# Altium PCB Weather_Station_ETH_HERMETIC.PcbDoc (part 4 of 5) (continued)
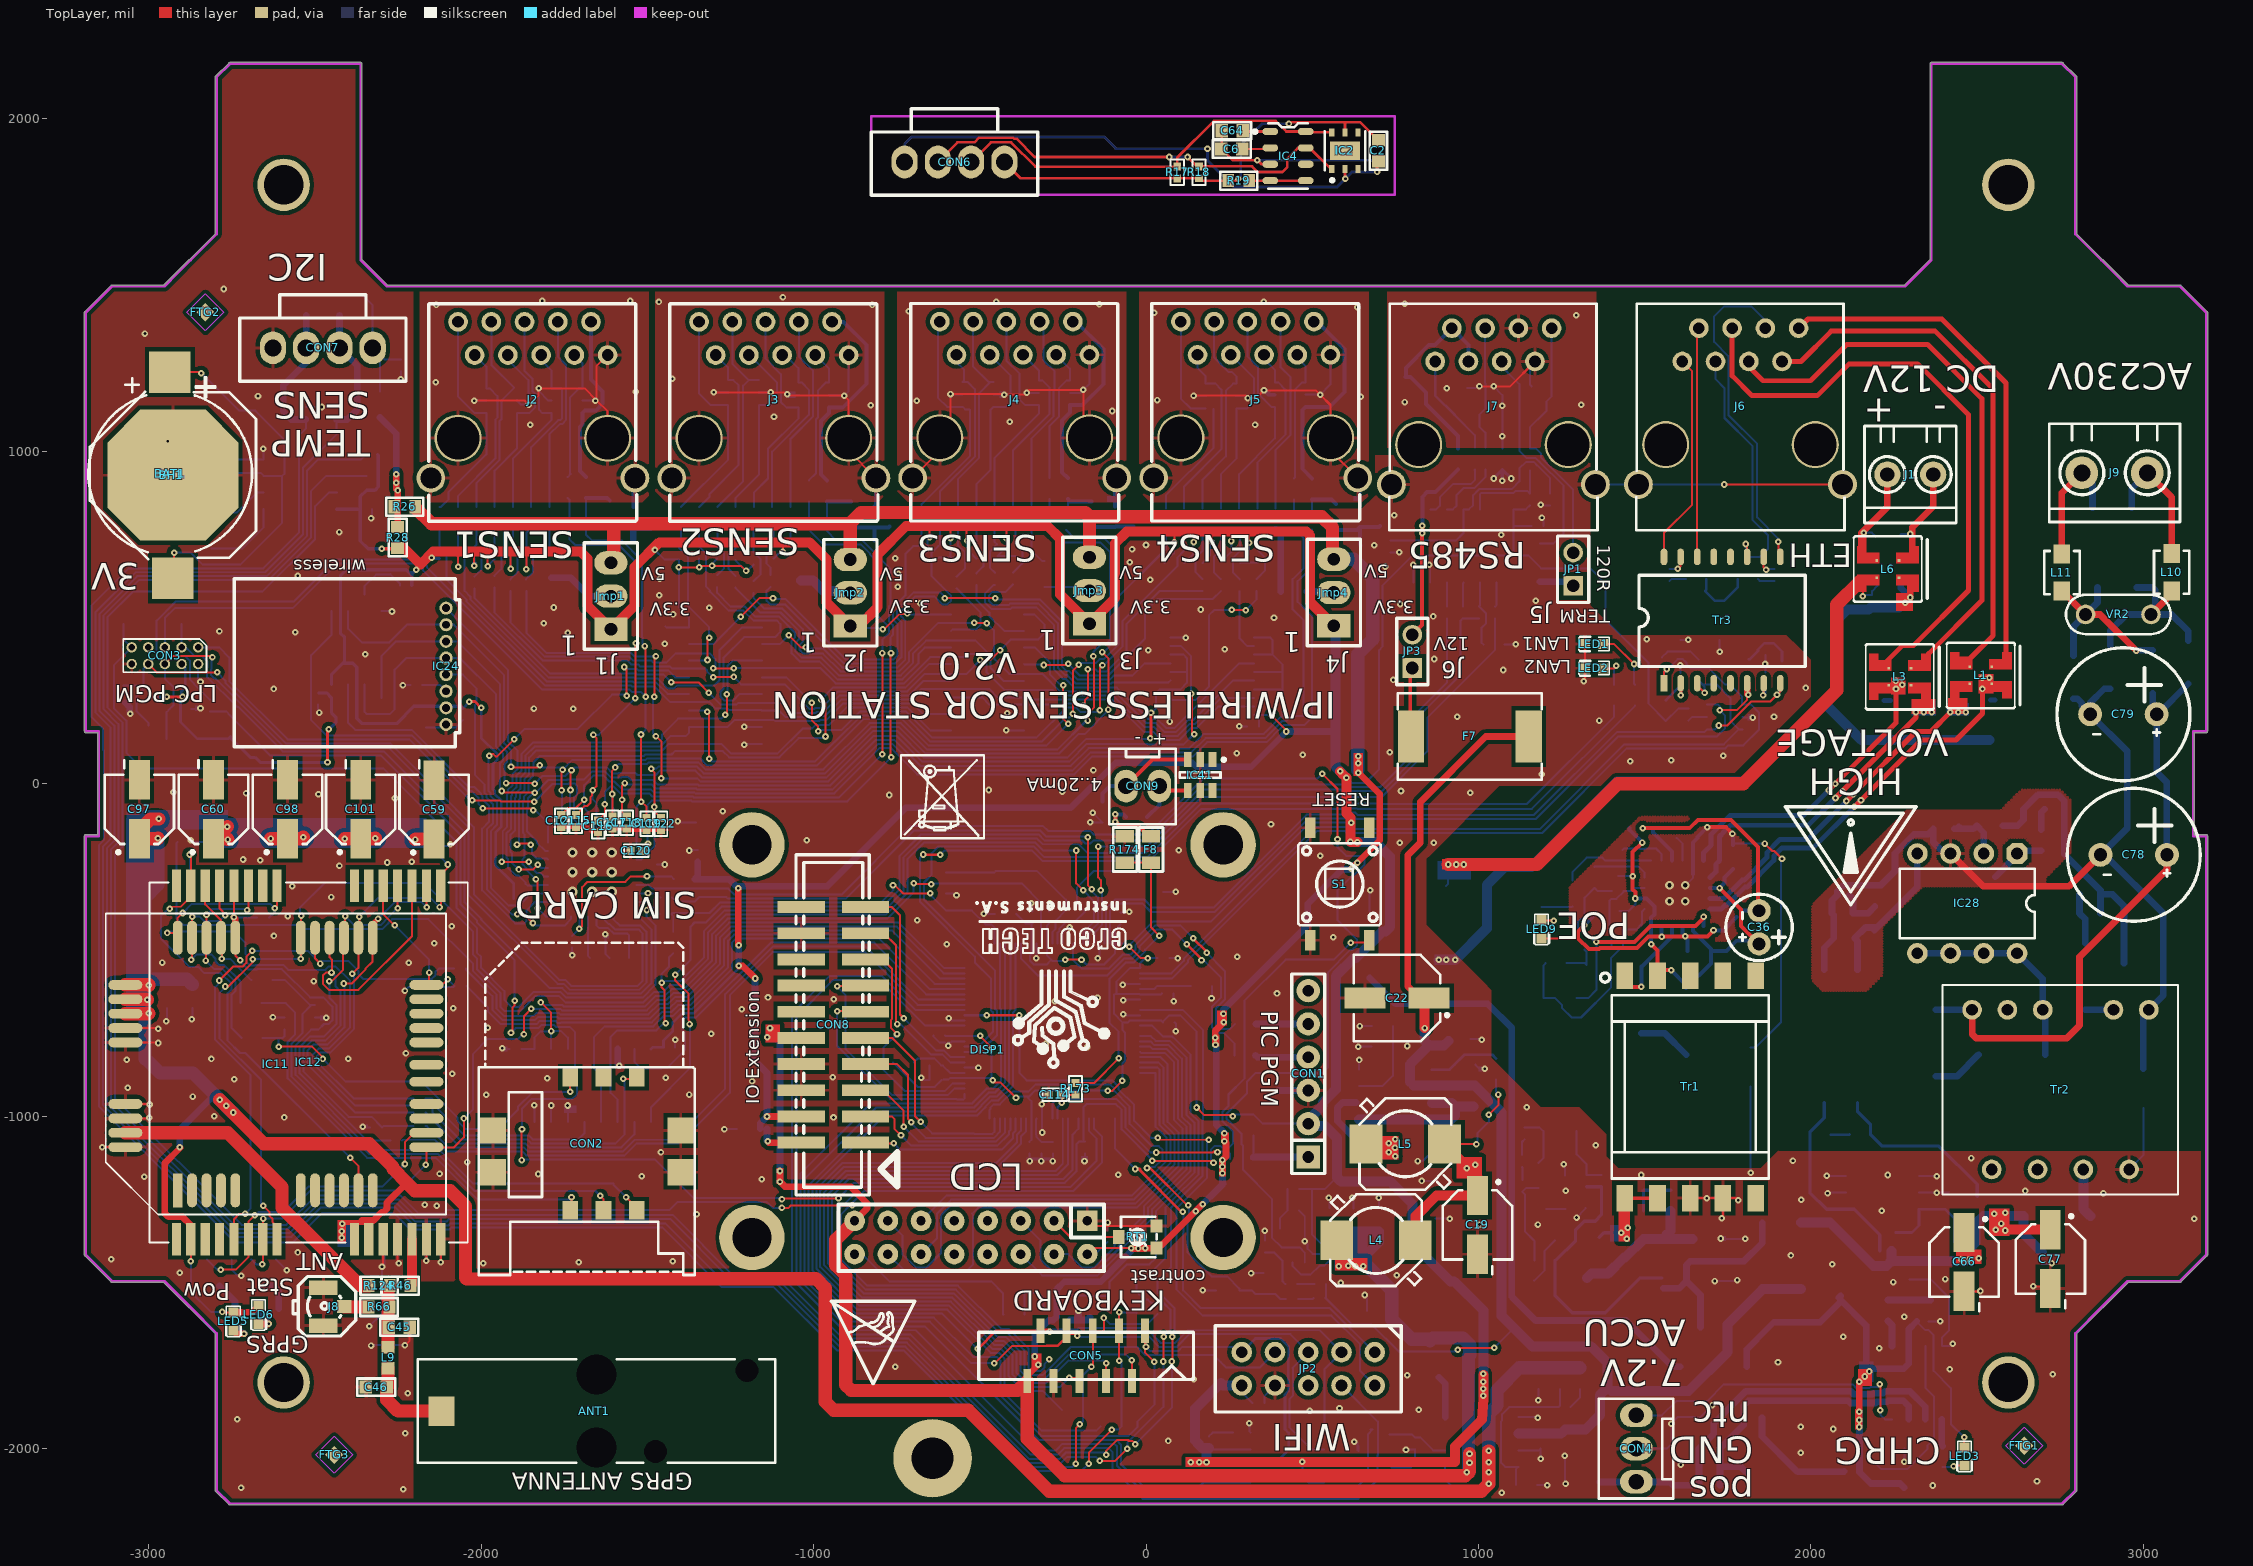
[diagram p0: TopLayer view]
## Nets (pads, with @x,y where several pads share a name; then routed paths per layer and width w, separated by ;. In a path a pad name is that pad's centre, name@x,y a point inside that pad or via, vN(x,y) a via of type N, cw(c..) or ccw(c..) an arc to the next point about the centre after c; other vN are vias at no path point) (continued)
  BottomLayer w30: v1(182,-2041) 182,-2005.72 C100.1@189,-1998.72 170.33,-1998.72 155.8,-1984.19 155.8,-1983.8 148,-1976 148,-1880 R2.2@225,-1803 232,-1810 JP2.10@288,-1810 ; CON1.2@488,-1022.69 488,-1012 531.69,-968.31 ; CON1.2@500,-1030 539,-1030 574,-1065 574,-1184 586,-1196 734,-1196 802,-1264 802,-1383 IC3.2@916,-1497 927,-1497 1014.84,-1584.84 v1(1014.84,-1841.06) ; 531.69,-959.31 571,-920 571,-577.96 624.93,-524.02 ; Jmp4.1@565,475 570,470 570,51 v1(583.74,37.26) v1(603,18) ; v1@615,-175.98 689.98,-175.98 733.37,-219.37 733.37,-431.67 721.07,-443.98 ; 631.98,-524.02 712.02,-443.98
  other v1: 135,-2041 160,-2041 1014.84,-1820 1014,-1799 1014.84,-1775 -1138,-1076 -461,-892 -498,-758 617,-118
P5V0: C20.1 C24.1 C25.1 C94.2 CON5.10 CON8.10 DISP1.2 DISP1.15 IC3.3 Jmp1.3 Jmp2.3 Jmp3.3 Jmp4.3 L4.2 R26.2 RT1.1 | length 11606.9
  TopLayer w6: DISP1.2@-176.66,-1415.1 -158.56,-1397 v1(-44,-1397)
  TopLayer w20: v1(-1139,-763) -1137.3,-764.7 CON8.10@-1101.3,-764.7 ; v1(-1131,-735) CON8.10@-1101.3,-764.7 ; v1(-1101,-1165) v1(-1101,-1197) -1086,-1212 -889,-1212 -839,-1262 -839,-1277.44 DISP1.15@-876.66,-1315.1 ; CON8.10@-1036.91,-764.7 CON8.10@-1101.3,-764.7 ; CON5.10@-357,-1797 -357,-1781 v1(-324,-1748) -334.84,-1737.16 v1(-334.84,-1723) ; v1@-36.34,-1397 38.28,-1397 v1(170.14,-1265.14) ; v1(208,-764) 208,-744 v1(234,-718) ; v1(230,-1132) 240.84,-1121.16 240.84,-1079.84 v1(236,-1075) ; v1(617.19,-256) 702.91,-170.27 702.91,-30.91 v1(639,33) v1(639,83)
  TopLayer w40: R26.2@-2196,829 -2149,782 -1601,782 ; Jmp1.3@-1609.36,664.33 -1601,672.69 -1601,782 ; Jmp2.3@-889.36,674.33 -889.36,780.36 -891,782 ; DISP1.15@-876.66,-1315.1 -933.66,-1372.1 -933.66,-1448.61 -903.17,-1479.1 -903.17,-1808.83 -887,-1825 -385,-1825 CON5.10@-357,-1797 -357,-1970 -245,-2082 960,-2082 973,-2069 v1(973,-2015) ; Jmp3.3@-170,680.87 -170,803 ; Jmp4.3@565,675 561.16,678.84 561.16,770.84 529,803 -170,803 ; -1601,782 -891,782 ; -891,782 -857,816 -183,816 -170,803
  BottomLayer w6: DISP1.2@-176.66,-1415.1 -152.39,-1415.1 C94.2@-116,-1378.72
  BottomLayer w20: Jmp1.3@-1615.69,658 Jmp1.3@-1609.36,664.33 ; v1(-1139,-763) -1116,-763 -1101,-778 ; v1(-1131,-735) -1101,-765 -1101,-778 ; v1(-1101,-1197) v1(-1101,-1165) -1101,-778 ; v1(-324,-1748) -334.84,-1737.16 -334.84,-1657.3 -291.55,-1614 -279.37,-1614 -268,-1602.63 -268,-1520.37 -245.73,-1498.1 -136.1,-1498.1 -105,-1467 -105,-1465.66 -44,-1404.66 v1(-44,-1397) ; v1(149.14,-1286.14) 231.64,-1203.64 230,-1202 v1(230,-1132) ; v1(208,-764) 211.16,-767.16 211.16,-1026.16 v1(236,-1051) v1(236,-1075) ; v1(234,-718) 233.36,-718.64 233.24,-718.53 233.24,-679.24 487,-425.49 487,-361 590,-258 616,-258 v1@638,-236
  BottomLayer w30: C24.1@624,-1349 625.57,-1347.43 C25.1@701,-1347.43 701,-1379 665,-1415 665,-1450
  BottomLayer w40: Jmp4.3@565,675 625,675 682,618 682,434 637,389 v1@637,41.98 ; 665,-1450 739,-1524 739,-1610.77 799.23,-1671 849,-1671 854,-1676 862.84,-1667.16 952.85,-1667.16 973.84,-1688.15 973.84,-1717.85 970,-1721.69 970,-2058
  other v1: 965,-2071 973,-2042 630,-1452 580,-1451 653,-1451 608,-1450 -23,-1398 -2,-1397 230,-1172 230,-1152 209,-785 233,-692 636,-238 638,62
P12V0: C15.1 C22.1 C109.1 C181.2 D1.K D3.K D13.K D19.K F7.1 IC27.2 R8.2 R31.1 R34.1 R42.1 R149.2 U3.6 | length 4561.3
  TopLayer w6: v1(938,-1703) 944,-1697 v1(1047,-1697)
  TopLayer w20: C22.1@851.46,-645 823,-645 787,-609 787,-544 787,-215.55 825.16,-177.39 825.16,-54.84 1022,142 F7.1@1151.17,142
  TopLayer w30: v1(838,-735) C22.1@838,-658.46
  BottomLayer w6: R149.2@542,-1505 542,-1545 R8.2@540,-1547 619,-1626 678,-1626 760,-1708 v1@934,-1708 ; v1(1047,-1697) 1105.5,-1638.5 1105.5,-1636.5
  BottomLayer w30: 794,-898 794,-844 851,-787 ; 804.5,-908.5 R34.1@930,-908.5 R42.1@985,-908.5 989.5,-908.5 1069.5,-988.5 1069.5,-1600.5 1105.5,-1636.5 1162,-1693 1339,-1693 1388,-1742 1388,-1815.39 ; 838,-774 851,-787 ; 838,-761 v1(838,-735) ; C15.1@909.57,-774 896.57,-787 851,-787 ; IC27.2@1120,-1955 1248.94,-1955 C109.1@1261,-1942.94 1321.66,-1942.94 D19.K@1365,-1899.61 1365,-1838.39 1388,-1815.39 ; D3.K@1970,-1520.39 1855,-1520.39 D13.K@1854,-1521.39 1749,-1626.39 1749,-1710.2 1632.2,-1827 1399.61,-1827 1388,-1815.39
P12V_IN: D1.A D9.K D17.A F3.2 | length 1892
  BottomLayer w20: D9.K@673,-584.39 750.77,-662.16 F3.2@902,-662.16 1028.17,-662.16 1100.5,-734.5 1100.5,-1543.5 1171.61,-1614.61 1444.61,-1614.61 1584,-1754 D17.A@1606.61,-1754
PANEL_IN_REG_STR: CON5.6 IC1.11 | length 2077.5
  TopLayer w6: v1(-231,-1787) -209.52,-1787 CON5.6@-199.52,-1797
  BottomLayer w6: IC1.11@-250.41,-1007.6 -250.41,-1143.44 -271.97,-1165 -903.59,-1165 -967.84,-1229.25 -967.84,-1448.37 -858.21,-1558 -587.09,-1558 -456.93,-1688.16 -432.28,-1688.16 -401.84,-1718.6 -401.84,-1776.04 -362.88,-1815 -259,-1815 v1(-231,-1787)
PANEL_INT_RQ: CON5.2 IC1.8 | length 2296.8
  TopLayer w6: v1(-43,-1734) -42.04,-1734.96 CON5.2@-42.04,-1797
  BottomLayer w6: IC1.8@-203.17,-1007.6 -203.17,-1038.05 -221,-1055.88 -221,-1161.03 -248.97,-1189 -893.65,-1189 -943.84,-1239.2 -943.84,-1438.43 -848.27,-1534 -577.15,-1534 -446.99,-1664.16 -422.34,-1664.16 -377.84,-1708.66 -377.84,-1766.1 -352.94,-1791 -306.19,-1791 -232.35,-1717.16 -59.84,-1717.16 v1(-43,-1734)
PANEL_IO_1WIRE: IC1.18 R119.2 | length 1912.6
  BottomLayer w6: IC1.18@-360.65,-1007.6 -360.65,-1045.65 -376,-1061 -376,-1083 -446,-1153 -908.56,-1153 -979.84,-1224.28 -979.84,-1453.34 -863.18,-1570 -592.06,-1570 -461.9,-1700.16 -437.25,-1700.16 -413.84,-1723.57 -413.84,-1781.01 -367.85,-1827 -309.5,-1827 R119.2@-252.5,-1884
PANEL_IO_E: IC1.19 R115.2 | length 2101.1
  BottomLayer w6: IC1.19@-376.39,-1007.6 -376.39,-1044.42 -388,-1056.03 -388,-1078.03 -450.97,-1141 -913.53,-1141 -991.84,-1219.31 -991.84,-1458.31 -868.16,-1582 -597.35,-1582 -467.2,-1712.16 -442.22,-1712.16 -425.84,-1728.54 -425.84,-1834.16 -314.16,-1945.84 -149.34,-1945.84 R115.2@-136.5,-1933
PANEL_OUT_REG_STR: CON5.4 IC1.10 | length 2208.6
  TopLayer w6: CON5.4@-120.78,-1797 -120,-1796.22 v1(-120,-1743)
  BottomLayer w6: IC1.10@-234.66,-1007.6 -234.66,-1144.66 -267,-1177 -898.62,-1177 -955.84,-1234.22 -955.84,-1443.4 -853.24,-1546 -582.12,-1546 -451.96,-1676.16 -427.31,-1676.16 -389.84,-1713.63 -389.84,-1771.07 -357.91,-1803 -301.22,-1803 -233.38,-1735.16 -127.84,-1735.16 v1(-120,-1743)
PANEL_SCL_IO_1WIRE: CON5.5 CON7.2 IC39.3 R116.1 R119.1 R135.2 | length 7133.9
  TopLayer w6: v1(-211,-2045) -211,-1939 v1(-199,-1927) ; v1(-164,-1754) -160.15,-1750.15 CON5.5@-160.15,-1645.43 -157.57,-1648 -131,-1648 -127,-1644 v1(-127,-1607)
  BottomLayer w6: IC39.3@-2434.74,1095.6 -2434.74,1051.26 -2535,951 -2535,751 -2650,636 -3039.32,636 -3160.37,514.95 -3160.37,214.88 -3115,169.51 -3115,-166.97 -3137.37,-189.34 -3137.37,-965.66 -2740.19,-1362.84 -2570.84,-1362.84 -2483,-1275 -2257,-1275 -2203,-1329 -2099.09,-1329 -2092.59,-1322.5 -1445.5,-1322.5 -1266,-1502 -1112.03,-1502 -921.03,-1693 -724,-1693 -362,-2055 -221,-2055 v1(-211,-2045) ; v1(-199,-1927) -189.5,-1917.5 R119.1@-189.5,-1884 -189.5,-1779.5 v1(-164,-1754) ; v1(-127,-1607) -109,-1625 5,-1625 35,-1595 R116.1@35,-1594.5
  BottomLayer w20: IC39.3@-2434.74,1095.6 -2402.4,1095.6 -2372,1126 -2372,1257 CON7.2@-2426,1311 R135.2@-2426,1408.5
PANEL_SDA_IO_E: CON5.3 CON7.3 IC39.4 R22.1 R115.1 R136.2 | length 7071.3
  TopLayer w6: v1(-172,-2045) -172,-2011.91 v1(-102.94,-1942.84) ; v1(-81,-1590) -81,-1645.02 CON5.3@-81.41,-1645.43 -81.41,-1734.59 v1(-80,-1736)
  BottomLayer w6: IC39.4@-2527.26,1095.6 -2527.26,1067.74 -2548,1047 -2548,754.97 -2654.97,648 -3059.37,648 -3172.37,535 -3172.37,201.02 -3136.67,165.32 -3136.67,101.67 -3135,100 -3135,-170 -3150,-185 -3150,-970 -2740,-1380 -2567,-1380 -2478,-1291 -2263,-1291 -2213,-1341 -2094.12,-1341 -2087.62,-1334.5 -1455.5,-1334.5 -1276,-1514 -1120,-1514 -929,-1705 -728.97,-1705 -366.97,-2067 -194,-2067 v1(-172,-2045) ; v1(-102.94,-1942.84) -83.35,-1942.84 R115.1@-73.5,-1933 -73.5,-1742.5 v1(-80,-1736) ; v1(-81,-1590) -29.5,-1590 R22.1@-28,-1591.5
  BottomLayer w20: IC39.4@-2527.26,1095.6 -2570.6,1095.6 -2595,1120 -2595,1198 -2526,1267 CON7.3@-2526,1311 R136.2@-2526,1408.5
PB6: IC1.67 R12.1 | length 881.2
  TopLayer w8: v1(142,-465) 183,-506 v1(183,-509)
  BottomLayer w6: IC1.67@-218.91,-480.04 -218.91,-530.73 -193.8,-555.84 -112.47,-555.84 -70.47,-513.85 -46.2,-513.85 -31.16,-498.8 -31.16,-484.54 27.22,-426.16 103.16,-426.16 v1(142,-465) ; v1(183,-509) 237.71,-563.71 237.71,-647.91 211,-674.62 211,-728.13 215.87,-733 220.84,-733 225.6,-737.76 252.93,-737.76 R12.1@268,-722.69
PB7: IC1.57 R11.1 | length 1081.3
  TopLayer w8: v1(123,-483) 167,-527 v1(167,-531)
  BottomLayer w6: IC1.57@-376.39,-480.04 -376.39,-525.61 -325,-577 -116.65,-577 -65.5,-525.85 -41.23,-525.85 -19.16,-503.78 -19.16,-489.51 32.2,-438.16 78.16,-438.16 v1(123,-483) ; v1(167,-531) 173.54,-531 225.71,-583.17 225.71,-642.94 199,-669.65 199,-733.1 210.9,-745 215.87,-745 220.63,-749.76 233.6,-749.76 266.5,-782.66 R11.1@266.5,-817.69
PROG_RXD: CON3.9 IC14.31 R105.2 TP11.1 | length 2944.7
  TopLayer w6: v1(-1502,-380) -1498,-376 v1(-1498,-329.98)
  BottomLayer w6: TP11.1@-3076,480 -3076,435 CON3.9@-3051,410 -3104.69,356.31 -3104.69,227.08 -3067,189.39 -3067,92.59 -3019.56,45.16 -2293.16,45.16 -2074,-174 -2074,-372.97 -2013,-433.97 -2013,-507.97 -2000,-520.97 -2000,-553.97 -1929.99,-623.99 -1929.99,-650.05 -1908.2,-671.84 -1887.46,-671.84 -1842.78,-627.16 -1760.4,-627.16 -1743.75,-643.81 -1514.25,-643.81 -1475.84,-605.4 -1475.84,-426.16 -1502,-400 v1(-1502,-380) ; IC14.31@-1533.13,-329.98 v1(-1498,-329.98) -1474.02,-329.98 R105.2@-1461,-343
PROG_TXD: CON3.3 IC14.32 R106.2 TP10.1 | length 2429.1
  BottomLayer w6: TP10.1@-2901,480 CON3.3@-2901,410 -2887.97,410 -2862.72,384.75 -2840.75,384.75 -2823,367 -2823,349.62 -2824.84,347.78 -2824.84,322.22 -2733.83,231.21 -2730.59,231.21 -2596.85,97.47 -2292.5,97.47 -2050,-145.03 -2050,-355.82 -1999.41,-406.41 ; -2001,-408 -1793.84,-615.16 -1755.43,-615.16 -1738.78,-631.81 -1519.22,-631.81 -1487.84,-600.43 -1487.84,-438.16 -1533.13,-392.87 IC14.32@-1533.13,-355.57 -1500.43,-355.57 -1494.84,-361.16 -1494.2,-361.16 -1483.16,-372.2 -1483.16,-372.84 R106.2@-1464,-392
PWRKEY: IC11.10 IC12.14 Q4.3 | length 1420
  TopLayer w6: v1(-2936,-376) -2930.16,-370.16 -2903.96,-370.16 -2873.23,-339.42 IC12.14@-2873.23,-307.01 -2873.23,-216.77 v1(-2877,-213) ; v1(-2394,-1125) -2369.21,-1149.79 IC11.10@-2369.21,-1223.23
  BottomLayer w6: v1(-2936,-376) -2941,-376 -2962.84,-397.84 -2962.84,-465.8 -2877.65,-551 -2851,-551 -2832.16,-569.84 -2782.51,-569.84 -2750.16,-602.2 -2750.16,-617.8 -2762.21,-629.86 -2762.21,-772.91 -2725.12,-810 -2709,-810 v1(-2394,-1125) ; v1(-2877,-213) -2875,-215 Q4.3@-2875,-255
RA2: CON8.19 IC1.33 | length 660.6
  TopLayer w6: CON8.19@-844,-371 -764,-371 -739.94,-395.06 -739.94,-694.19 v1(-728.13,-706)
  BottomLayer w6: v1(-728.13,-706) -631.33,-802.8 -606.85,-802.8 -587.08,-822.56 IC1.33@-545.69,-822.56
RA3: CON8.17 IC1.32 | length 595.8
  TopLayer w6: CON8.17@-844,-449.74 -788.26,-449.74 -751.94,-486.06 -751.94,-719.06 v1(-748,-723)
  BottomLayer w6: v1(-748,-723) -737.77,-723 -645.98,-814.8 -611.82,-814.8 -588.31,-838.31 IC1.32@-545.69,-838.31
RD+: IC1.74 IC37.6 R91.2 Tr3.6 | length 2506
  TopLayer w6: v1(1726,221) 1776.75,221 1808,252.25 v1@1808,270
  TopLayer w20: v1@1808,270 Tr3.6@1808,302.31
  BottomLayer w6: IC1.74@-108.68,-480.04 -108.16,-479.52 -108.16,-418.22 -108.68,-417.7 -108.68,-382.47 -86.2,-360 -11,-360 15,-386 207.03,-386 488.03,-105 603.35,-105 609.2,-99.16 624.8,-99.16 631.9,-106.25 1172.75,-106.25 1421,142 1716.93,142 1742.13,167.2 1742.13,204.87 v1(1726,221) 1726,232.28 1719.88,238.4 IC37.6@1687.85,238.4 ; v1(1811,267) 1813,269 R91.2@1813,310.81
RD-: IC1.73 IC37.4 R92.2 Tr3.8 | length 2511.8
  TopLayer w6: v1@1728,175 1748,175 1820.16,247.16 1878.16,247.16 1908,277 ; v1(1898,268) 1908,278 1908,277 ; Tr3.8@1908,302.31 1908,277
  BottomLayer w6: IC1.73@-124.43,-480.04 -124.43,-443.07 -120.16,-438.8 -120.16,-423.2 -120.79,-422.57 -120.79,-375.79 -93,-348 -6.03,-348 19,-373.03 203.03,-373.03 483.06,-93 598.38,-93 604.22,-87.16 629.78,-87.16 636.87,-94.25 1166.75,-94.25 1416,155 1679.25,155 IC37.4@1687.85,163.6 1711.88,163.6 v1(1723.28,175) ; v1(1898,268) 1913,283 R92.2@1913,305.81
RESETN: C33.1 IC1.7 R1.1 R107.1 S1.2@671.17,-471.13 | length 5811.9
  TopLayer w6: v1@-1906,-745 -1906,-674 -1899,-667 v1(-1899,-653) ; v1(-1878,-1132) v1@-1878,-1040 ; v1@-1092,-1247 v1(-925,-1247) ; v1(19,-1134) 20,-1135 198,-1135 v1(203,-1140) ; v1(616,-478) 664.29,-478 S1.2@671.17,-471.13
  BottomLayer w6: R107.1@-2815,217.28 -2766.79,217.28 R1.1@-2754,204.5 -2634.98,85.47 -2301.47,85.47 -2062,-154 -2062,-362 -2013,-411 -2013,-417 -1899,-531 v1(-1899,-653) ; v1(-1910,-749) -1896.16,-735.16 -1828.13,-735.16 -1818.13,-725.16 -1781.2,-725.16 -1774.35,-732 -1732,-732 -1717,-747 -1717,-877.7 -1712,-882.7 -1712,-935 -1725.16,-948.16 -1847.8,-948.16 -1877,-977.35 v1(-1877,-1039) ; v1@-1876,-1130 -1477,-1130 -1361.32,-1245.68 v1@-1099.32,-1245.68 ; v1(-925,-1247) -879,-1201 -244,-1201 -209,-1166 -209,-1084 -202,-1077 C33.1@-184,-1077 -187.42,-1073.58 IC1.7@-187.42,-1007.6 -187.42,-972.42 -179,-964 -90.34,-964 -73,-981.34 -73,-1039.59 22.41,-1135 20,-1135 v1(19,-1134) ; v1(203,-1140) 196.16,-1133.16 196.16,-1100.2 207.2,-1089.16 223.29,-1089.16 228.13,-1094 250,-1094 261.87,-1082.13 261.87,-1046.87 230.16,-1015.16 230.16,-987.22 248.22,-969.16 248.22,-934.8 296,-887.03 296,-653 420,-529 565,-529 v1(616,-478)
  other v1: -1095,-1250
RESETN_MEAS: C51.2 CON3.6 IC14.2 R13.2 R107.2 TP12.1 | length 2795.2
  TopLayer w6: CON3.6@-2951,360 -2926.25,384.75 -2812.75,384.75 v1(-2808,380)
  BottomLayer w6: TP12.1@-2946,135 -2946,215 C51.2@-2936,225 -2925.21,235.79 R13.2@-2925.21,290 -2951,315.79 CON3.6@-2951,360 -2926.25,384.75 -2890.75,384.75 -2876.25,370.25 -2876.25,314.25 -2862.84,300.84 -2862.84,299.2 -2816.36,252.72 R107.2@-2815,252.72 ; v1(-2808,380) -2811,377 -2811,344.65 -2812.84,342.8 -2812.84,327.2 -2801.8,316.16 -2798.56,316.16 -2591.88,109.47 -2279.11,109.47 -2038,-131.64 -2038,-333.88 -1769.88,-602 -1751.62,-602 -1733.81,-619.81 -1524.19,-619.81 -1503,-598.62 -1503,-445.03 -1521.45,-426.57 -1583.01,-426.57 -1602.02,-407.57 IC14.2@-1602.02,-398.87
RF1: CON8.15 IC1.28 | length 701.1
  TopLayer w6: CON8.15@-844,-528.48 -791.52,-528.48 -763.94,-556.06 -763.94,-707.41 -766.84,-710.31 -766.84,-735.16 v1(-749,-753)
  BottomLayer w6: v1(-749,-753) -789.2,-793.2 -789.2,-861.41 -726.41,-924.2 -604.35,-924.2 -581.45,-901.3 IC1.28@-545.69,-901.3
RF2: CON8.7 IC1.23 | length 624.8
  TopLayer w6: CON8.7@-844,-843.44 -748.56,-843.44 -715.84,-876.16 -715.84,-1008.16 v1(-706,-1018)
  BottomLayer w6: v1(-706,-1018) -708,-1020 -663,-1065 -457.03,-1065 -439.39,-1047.36 IC1.23@-439.39,-1007.6
RF3: CON8.5 IC1.22 | length 565.4
  TopLayer w6: CON8.5@-844,-922.18 -790.82,-922.18 -729,-984 v1(-729,-1032)
  BottomLayer w6: v1(-729,-1032) -684,-1077 -452.06,-1077 -424,-1048.94 -424,-1007.96 IC1.22@-423.64,-1007.6
RF4: CON8.3 IC1.21 | length 548.1
  TopLayer w6: CON8.3@-844,-1000.92 -765.08,-1000.92 -756,-1010 -756,-1039 v1(-737,-1058)
  BottomLayer w6: v1(-737,-1058) -706,-1089 -447,-1089 -412,-1054 -412,-1046.09 -407.89,-1041.98 IC1.21@-407.89,-1007.6
RF5: CON8.1 IC1.20 | length 529.6
  TopLayer w6: CON8.1@-844,-1079.66 -841.66,-1082 v1(-759,-1082)
  BottomLayer w6: v1(-759,-1082) -740,-1101 -434,-1101 -400,-1067 -400,-1051.06 -392.14,-1043.2 IC1.20@-392.14,-1007.6
RFM70_CE: IC24.3 R163.2 | length 79.4
  BottomLayer w6: R163.2@-2177.28,296.15 -2123.37,296.15 IC24.3@-2105.32,278.1
RFM70_CSN: IC14.7 IC24.4 | length 1060.1
  TopLayer w6: v1(-1891,-393) -1870,-393 v1(-1844,-419)
  BottomLayer w6: IC24.4@-2105.32,328.1 -2055.1,328.1 -2014,287 -2014,240.65 -2018.84,235.8 -2018.84,26.43 -1989,-3.41 -1989,-27.41 -1984.16,-32.25 -1984.16,-41.22 -1964.16,-61.22 -1964.16,-118.97 -1982.84,-137.66 -1982.84,-317.91 -1907.75,-393 v1(-1891,-393) ; v1(-1844,-419) -1836.43,-426.57 -1748.99,-426.57 -1729.98,-407.57 IC14.7@-1729.98,-398.87
RFM70_IRQ: IC14.12 IC24.8 | length 1035
  TopLayer w6: v1(-1938,-235) -1937.84,-235.16 v1(-1856.48,-235.16)
  BottomLayer w6: IC24.8@-2105.32,528.1 -2032.22,455 -2032,455 -1918.84,341.84 -1918.84,126.2 -1907.8,115.16 -1906.19,115.16 -1891.16,100.13 -1891.16,43.2 -1906.16,28.2 -1906.16,-5.8 -1919.16,-18.8 -1919.16,-29.8 -1921.84,-32.49 -1921.84,-59.68 -1922.16,-60 -1922.16,-130.71 -1934.84,-143.4 -1934.84,-231.84 v1(-1938,-235) ; v1(-1856.48,-235.16) -1856.48,-244.49 -1831.81,-269.16 -1820.16,-269.16 -1810.52,-278.8 IC14.12@-1798.87,-278.8
RH4: CON8.13 IC1.27 | length 709.4
  TopLayer w6: v1(-929,-609) -845.78,-609 CON8.13@-844,-607.22
  BottomLayer w6: v1(-929,-609) -930,-609 -904,-635 -904,-796.97 -764.77,-936.2 -595.28,-936.2 -576.13,-917.05 IC1.27@-545.69,-917.05
RH5: CON8.11 IC1.26 | length 655.5
  TopLayer w6: v1(-929,-684) -845.96,-684 CON8.11@-844,-685.96
  BottomLayer w6: v1(-929,-684) -929,-788.94 -769.74,-948.2 -570,-948.2 -568.2,-950 -550,-950 -545.69,-945.69 IC1.26@-545.69,-932.8
RH7: CON8.9 IC1.24 | length 647.1
  TopLayer w6: CON8.9@-844,-764.7 -763.95,-764.7 -694.84,-833.8 -694.84,-1000.16 v1(-678,-1017)
  BottomLayer w6: v1(-678,-1017) -643,-1052 -518,-1052 -517,-1053 -462,-1053 -455.13,-1046.13 IC1.24@-455.13,-1007.6
RS0_485_DE: IC1.71 R23.1 R150.1 | length 1900.1
  TopLayer w6: v1(-144.16,-189) -144.16,-282 -136,-290.16 v1(-136,-320)
  BottomLayer w6: IC1.71@-155.92,-480.04 -153.11,-477.23 -153.11,-446.05 -132.79,-425.73 -132.79,-323.21 v1(-136,-320) ; v1(-144.16,-189) 1.94,-189 172.94,-18 555,-18 588.09,-18 592.06,-21.97 709.97,-21.97 824,92.06 824,206.03 946,328.03 946,490.57 R23.1@953,497.57 R150.1@1001,497.57
RS0_485_RXD+: IC25.1 J7.8 JP1.2 L7.4 | length 766.4
  BottomLayer w6: J7.8@1220,1370 1220,1165 1205,1150 1205,1122 IC25.1@1198,1115 1154.75,1071.75 L7.4@1154.75,1008.46 1172.54,1008.46 1187.55,993.45 1187.55,981.39 1285,883.94 JP1.2@1285,695
RS0_485_RXD-: IC25.2 J7.5 L7.3 R14.1 | length 700.3
  BottomLayer w6: J7.5@1055,1270 1123,1202 IC25.2@1123,1115 1123,1008.72 L7.3@1123.25,1008.46 1123.25,1001 1144,980.25 1171.32,980.25 1182.58,968.99 1182.98,968.99 1256,895.97 1256,753 1225.09,722.09 R14.1@1185,722.09
RS0_485_TXD+: IC23.2 J7.1 L8.3 | length 307.9
  BottomLayer w6: IC23.2@928,1110 989.25,1048.75 L8.3@989.25,1011.46
  BottomLayer w8: J7.1@870,1270 870,1168 IC23.2@928,1110
RS0_485_TXD-: IC23.1 J7.4 L8.4 | length 374.5
  BottomLayer w6: J7.4@1020,1370 1020,1204.65 1021.84,1202.8 1021.84,1128.84 IC23.1@1003,1110 1003,1074 1020.75,1056.25 L8.4@1020.75,1011.46
RSTN: IC1.41 JP2.2 | length 2278.3
  TopLayer w6: v1(35,-1065) 41,-1071 v1(189,-1071)
  TopLayer w8: v1(-479,-696) v1(-381,-696)
  BottomLayer w6: v1(-381,-696) -381,-870 -358.84,-892.16 -101.81,-892.16 -83.16,-910.81 -83.16,-918.62 -36,-965.77 -36,-1014 15,-1065 v1(35,-1065) ; v1(189,-1071) 184.16,-1075.84 184.16,-1184.93 91.16,-1277.93 91.16,-1520.13 171.03,-1600 557.8,-1600 643,-1685.2 643,-1765 JP2.2@688,-1810
  BottomLayer w8: IC1.41@-545.69,-696.58 -479.58,-696.58 v1(-479,-696)
RTC_MFP: IC1.5 IC21.7 | length 6791
  TopLayer w6: v1(-1095,-1276) -1075.16,-1276 -1068,-1268.84 -884.2,-1268.84 v1(-883.61,-1268.26)
  BottomLayer w6: IC21.7@-2434.14,875.78 -2458.22,875.78 -2499,835 -2499,736.09 -2657.68,577.41 -3047,577.41 -3124.37,500.04 -3124.37,229.79 -3079,184.42 -3079,-190 -3101.37,-212.37 -3101.37,-945.63 -2720.16,-1326.84 -2585.75,-1326.84 -2497.91,-1239 -2242.09,-1239 -2188.09,-1293 -2114,-1293 -2104,-1283 -1434,-1283 -1408.68,-1257.68 -1140.83,-1257.68 -1122.5,-1276 v1(-1095,-1276) ; v1(-883.61,-1268.26) v1@-890.26,-1268.26 ; v1(-291,-1731) -305,-1745 -305,-1755.87 -316.13,-1767 -343,-1767 -353.84,-1756.16 -353.84,-1698.72 -412.4,-1640.16 -435.97,-1640.16 -566.13,-1510 -838.33,-1510 -916.66,-1431.67 -916.66,-1294.66 v1@-890.26,-1268.26 ; IC1.5@-155.92,-1007.6 -155.92,-1038.05 -132,-1061.97 -132,-1139 -218,-1225 -847,-1225 v1@-890.26,-1268.26
RTS1: IC1.44 R52.1 | length 2141.2
  BottomLayer w6: R52.1@-2167.28,-1030 -2163.12,-1030 -2099.12,-1094 -1871.61,-1094 -1859.61,-1106 -1573.03,-1106 -1538.03,-1071 -1419,-1071 -1266,-918 -1266,-633.16 -1122.68,-489.84 -843.35,-489.84 -683.86,-649.33 IC1.44@-545.69,-649.33
RXD1: IC1.46 IC40.4 | length 1612
  BottomLayer w6: IC40.4@-1639,-1018 -1639,-878 -1660,-857 -1660,-761.3 -1628.7,-730 -1481.65,-730 -1449.8,-698.16 -1422.36,-698.16 -1402.05,-677.84 -1366.05,-677.84 -1244.84,-556.64 -1244.84,-493.03 -1245,-492.87 -1245,-477.13 -1233.87,-466 -1218.13,-466 -1217.97,-466.16 -1159.83,-466.16 -1159.52,-465.84 -802.16,-465.84 -650.16,-617.84 IC1.46@-545.69,-617.84
RXD2: IC1.52 R106.1 R153.2 | length 1178.6
  TopLayer w6: v1(-761,-305) -756,-305 -731,-330 v1(-649,-330)
  BottomLayer w6: R153.2@-1422,-446.5 -1422,-398.57 R106.1@-1428.57,-392 -1425.57,-389 -1312.97,-389 -1281.81,-357.84 -797.84,-357.84 -760,-320 -761,-319 v1(-761,-305) ; v1(-649,-330) -649,-333.61 -600.61,-382 -523.65,-382 -482.65,-423 -466,-423 -455.13,-433.87 IC1.52@-455.13,-480.04
SCK: CON5.7 IC1.54 IC19.6 IC20.6 JP2.5 | length 3550.3
  TopLayer w6: v1(-457,-1743) -455,-1743 -402.84,-1690.84 -298.16,-1690.84
  TopLayer w8: -298.16,-1690.84 -265.84,-1690.84 -245,-1670 -245,-1651.54 CON5.7@-238.89,-1645.43 -229.32,-1655 -207,-1655 v1(-207,-1661)
  BottomLayer w6: v1(-457,-1743) -525,-1743 -650,-1618 -883.07,-1618 -1027.84,-1473.22 -1027.84,-1189.84 -812,-974 -517.41,-974 -506.88,-963.47 -506.88,-962.25 -473.48,-928.84 -454.22,-928.84 -423.84,-898.46 -423.84,-480.25 IC1.54@-423.64,-480.04 ; v1(-207,-1661) -203.84,-1664.16 9.54,-1664.16 40.22,-1694.84 91.78,-1694.84 130.62,-1656 434,-1656 JP2.5@488,-1710 441,-1757 442,-1758 442,-1841 431,-1852 431,-1936 497,-2002 IC20.6@535,-2002
SCK1: FB9.2 R96.1 R169.2 | length 178.5
  BottomLayer w6: R96.1@-1865,614.72 -1843.19,636.53 -1843.19,689.82 R169.2@-1863.08,709.72 ; R169.2@-1864,709.72 R169.2@-1863.08,709.72 ; FB9.2@-1849.36,769.33 -1863.08,755.61 R169.2@-1863.08,709.72
SCK2: FB19.2 R97.1 R170.2 | length 157.5
  BottomLayer w6: R97.1@-1129,627.72 -1129,649.93 -1140.81,661.74 -1140.81,692.82 -1120.92,712.72 R170.2@-1120,712.72 -1120,764.96 FB19.2@-1124.36,769.33
SCK2_SCL2: IC1.84 IC21.6 R5.2 R116.2 | length 7775.3
  TopLayer w6: v1(-120,-2019) -120,-2007 -87,-1974 -52,-1974 -52,-1977 -42,-1977 v1(-32,-1987) ; v1(78,-1738) 79,-1737 v1(79,-1664)
  BottomLayer w6: R5.2@-2344.91,925 -2345.68,925.78 IC21.6@-2434.14,925.78 -2466.22,925.78 -2511,881 -2511,741.06 -2640.06,612 -3029.38,612 -3136.37,505.01 -3136.37,224.82 -3091,179.45 -3091,-176.91 -3113.37,-199.28 -3113.37,-955.72 -2730.25,-1338.84 -2580.78,-1338.84 -2492.94,-1251 -2247.06,-1251 -2193.06,-1305 -2109.03,-1305 -2101.03,-1297 -1424,-1297 -1243,-1478 -1102.09,-1478 -911.09,-1669 -714.06,-1669 -352.06,-2031 -259.94,-2031 -240.63,-2011.69 -127.31,-2011.69 v1(-120,-2019) ; v1(-32,-1987) 78,-1877 v1(78,-1738) ; IC1.84@-18.13,-680.83 111.48,-680.83 170.84,-740.2 170.84,-1009.84 170.02,-1010.66 170.02,-1179.34 91.16,-1258.19 91.16,-1259.55 75.16,-1275.55 75.16,-1454.84 35,-1495 R116.2@35,-1531.5 39.5,-1531.5 85,-1577 85,-1658 v1(79,-1664)
SCK3: FB29.2 R98.1 R171.2 | length 164.7
  BottomLayer w6: R98.1@-400,634.72 -372.19,662.53 -372.19,685 -372.19,699.82 -392.08,719.72 R171.2@-393,719.72 -393,768.87 FB29.2@-400,775.87
SCK4: FB39.2 R99.1 R172.2 | length 169.5
  BottomLayer w6: R99.1@333,615.72 357.81,640.53 357.81,665 357.81,680.82 337.92,700.72 R172.2@337,700.72 337,763 FB39.2@335,765
SCL: CON6.2 IC2.6 IC4.8 R17.1 | length 1226.8
  TopLayer w8: CON6.2@-526,1870 -466.79,1929.21 -405.55,1929.21 -332.54,1856.2 R17.1@94,1856.2 94,1883.02 204.66,1993.69 390.18,1993.69 422.23,1961.64 IC4.8@480.3,1961.64 482.94,1959 IC2.6@559,1959
SCL1: FB4.2 IC6.12 R79.2 | length 1039.8
  BottomLayer w6: FB4.2@-2124.36,769.33 -2124.36,713.35 R79.2@-2125,712.72 -2124.08,712.72 -2104.19,692.82 -2104.19,614.53 -2044,554.34 -2044,549.18 -1801.82,307 -1581.59,307 -1580.75,307.84 -1544.25,307.84 -1540.57,304.16 -1473.19,304.16 -1439.03,270 IC6.12@-1375,270
SCL2: FB14.2 IC6.14 R80.2 | length 496.8
  TopLayer w6: v1(-1319,372) -1319,434 v1(-1314,439)
  BottomLayer w6: FB14.2@-1399.36,769.33 -1399.36,715.64 R80.2@-1405,710 -1390.38,695.38 -1389.46,695.38 -1384.19,690.11 -1384.19,689.19 -1378,683 -1378,535 -1314,471 v1(-1314,439) ; IC6.14@-1375,370 -1321,370 v1(-1319,372)
SCL3: FB24.2 IC6.15 R81.2 | length 1210.3
  TopLayer w6: v1(-1219,502) -1163,558 v1(-1122,558)
  BottomLayer w6: IC6.15@-1375,420 -1301,420 v1(-1219,502) ; v1(-1122,558) -1120,556 -1085.73,556 -903.89,374.16 -759.2,374.16 -748.16,385.2 -748.16,480.75 -760.84,493.43 -760.84,529.75 -723.48,567.1 -723.48,691.52 -700.28,714.72 R81.2@-678,714.72 ; R81.2@-677.1,713.82 -675.92,715 -675,715 FB24.2@-675,775.87
SCL4: FB34.2 IC6.11 R82.2 | length 2128.4
  TopLayer w6: v1(-1320,216) -1314,210 v1(-1314,75) ; v1(-220,210) -220,340 v1(-202,358)
  BottomLayer w6: IC6.11@-1375,220 -1324,220 v1(-1320,216) ; v1(-1314,75) -1306,67 -995.38,67 -935.38,127 -933.97,127 -855.13,205.84 -727.6,205.84 -648.13,126.37 -314.28,126.37 -241.8,198.84 -231.16,198.84 v1(-220,210) ; v1(-202,358) -197.16,362.84 -151.51,362.84 -139.51,374.84 -126.51,374.84 -83,418.35 -83,562.92 54.08,700 R82.2@55,700 60,705 FB34.2@60,765
SDA: CON6.3 IC2.1 IC4.7 R18.1 | length 1329.1
  TopLayer w8: CON6.3@-626,1870 -566.79,1929.21 -515.79,1929.21 -501.79,1943.21 -399.75,1943.21 -396.54,1940 -390,1940 -335,1885 v1(70,1885) ; v1(125,1885) 153.28,1856.72 R18.1@159,1856.72 319.32,1856.72 336.04,1840 410,1840 425,1855 425,1880 457.43,1912.43 IC4.7@480.3,1912.43 492.57,1912.43 556.24,1848.76 IC2.1@559,1848.76
  BottomLayer w8: v1(70,1885) v1(125,1885)
SDA1: FB5.2 IC6.1 R83.2 | length 1349.1
  BottomLayer w6: FB5.2@-2069.36,769.33 -2069.36,710.64 R83.2@-2070,710 -2069.08,710 -2049.19,690.11 -2049.19,580.12 -2032,562.93 -2032,554.15 -1796.85,319 -1586.56,319 -1585.72,319.84 -1539.28,319.84 -1535.6,316.16 -1468.22,316.16 -1438.22,286.16 -1420.2,286.16 -1411.35,295 -1299.35,295 -1282.84,311.51 -1282.84,401.16 -1214,470 IC6.1@-1155,470
SDA2: FB15.2 IC6.5 R84.2 | length 942.9
  BottomLayer w6: FB15.2@-1344.36,769.33 -1344.36,713.35 R84.2@-1345,712.72 -1344.08,712.72 -1324.19,692.82 -1324.19,663.17 -1324.19,593.38 -1310.81,580 ; -1312.44,578.37 -1254.91,520.84 -1211.2,520.84 -1181.35,491 -1110.97,491 -1099.99,480.01 -1099.99,457.01 -1116,441 -1209,441 -1270.84,379.16 -1270.84,285.8 -1279.84,276.8 -1279.84,261.2 -1268.8,250.16 -1241.84,250.16 -1222,270 IC6.5@-1155,270